# Altium PCB Check-PCB.PcbDoc
Units mm, origin at the board's own origin, x right, y up, seen from the top; angles counter-clockwise.
Board outline 61.98 x 97.54 mm, 2 copper layers (Top Layer, Bottom Layer), stack 1.569 mm thick; 41 components, 55 nets, 222 pads, 15 vias.
Unrouted connection lines stored in the file: 4.
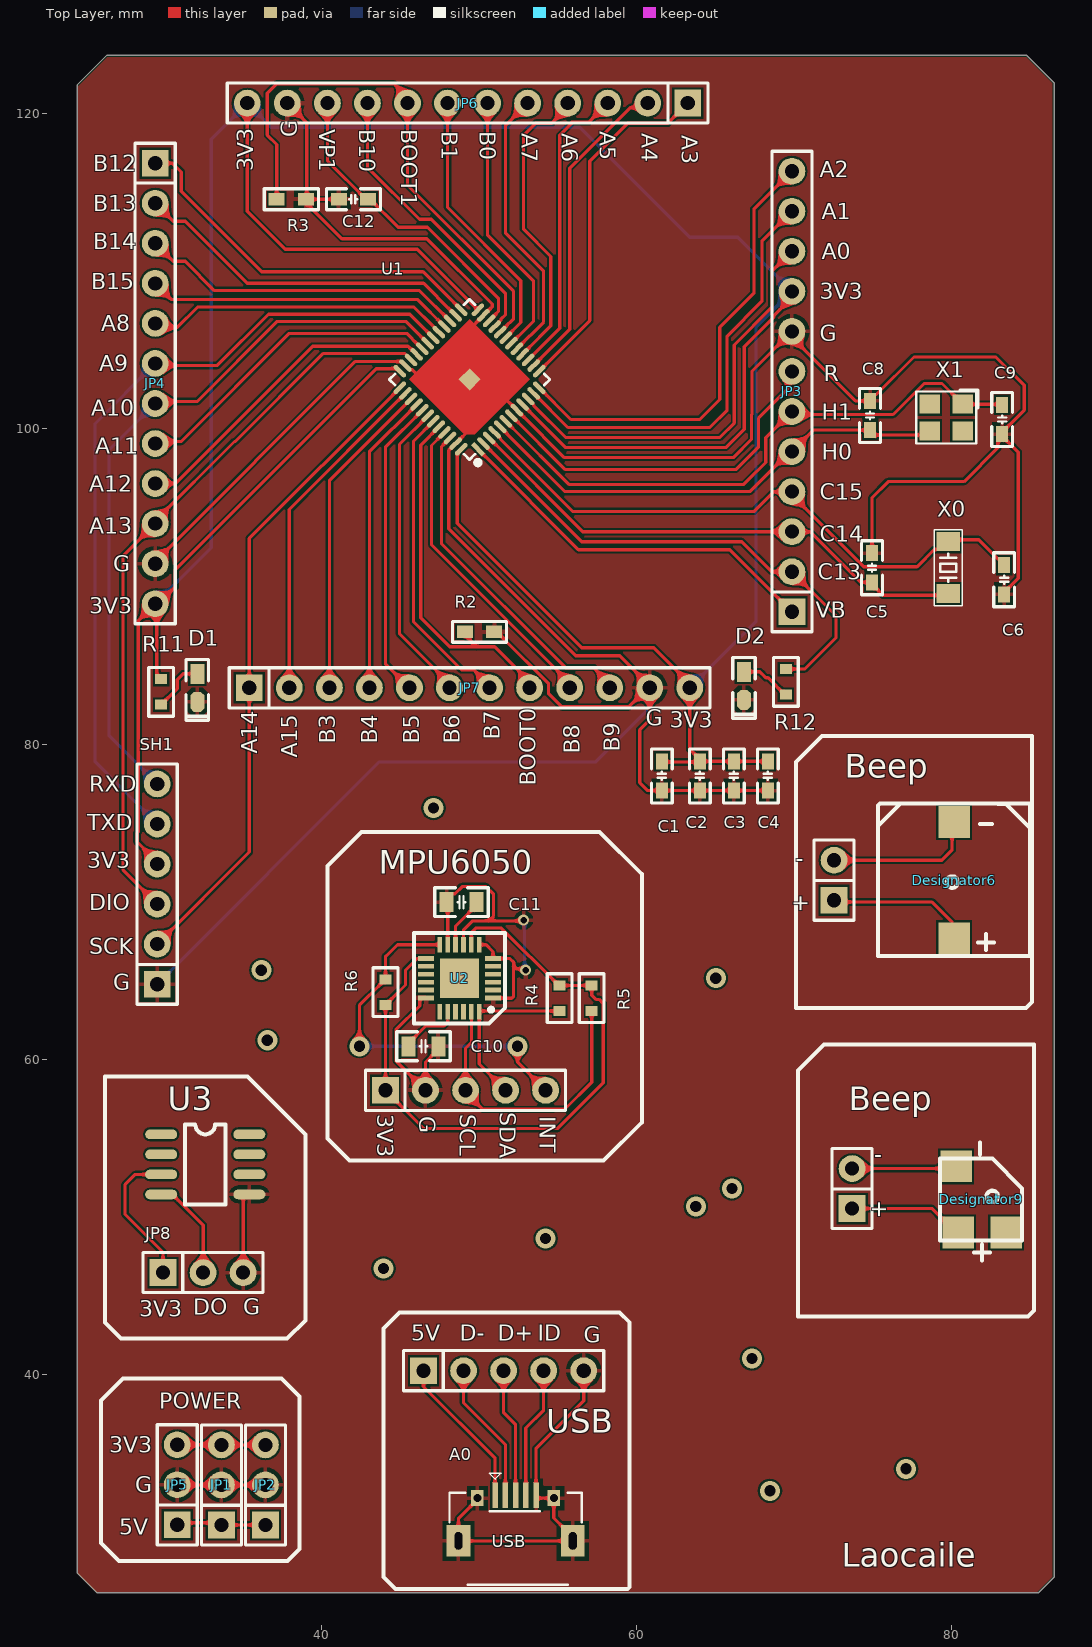
[diagram p0: Top Layer view]
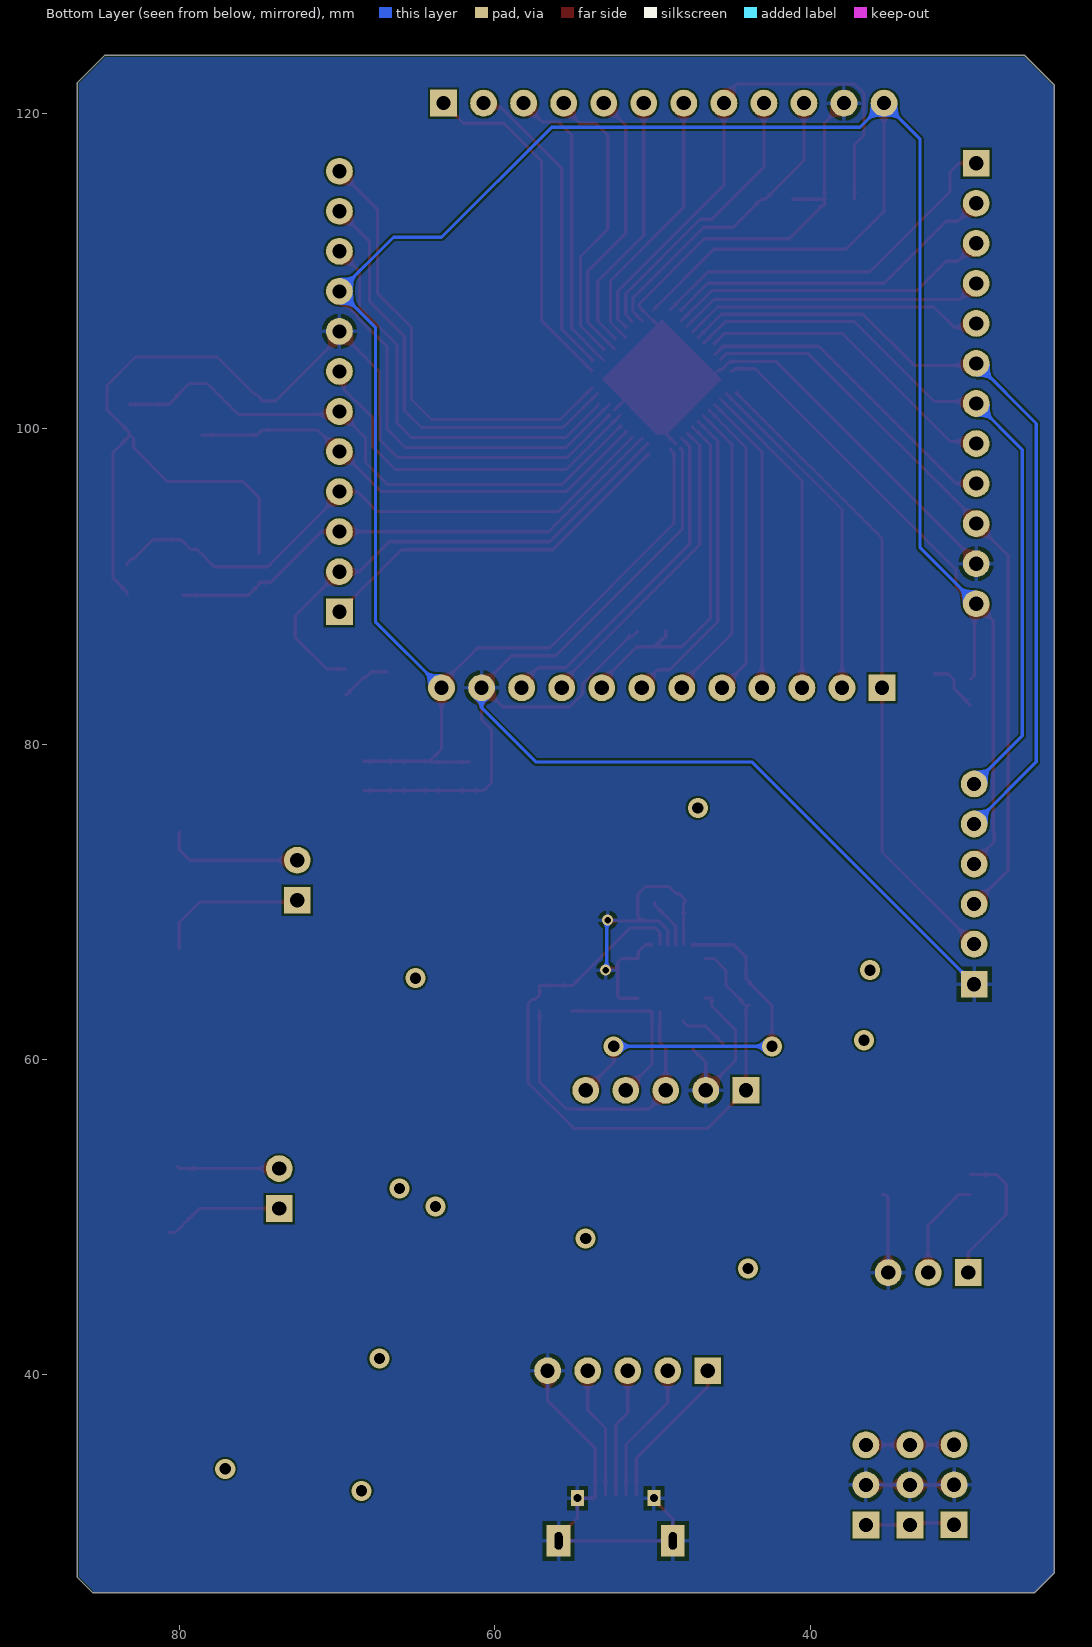
[diagram p1: Bottom Layer view, seen from below]

## Layer stack, top to bottom
Top Solder: solder mask 0.0254, SM-001, Dk 4
Top Layer: signal copper 0.035
Dielectric 1: core 1.4986, Core-043, Dk 4.3
Bottom Layer: signal copper 0.035
Bottom Solder: solder mask 0.0254, SM-001, Dk 4

## Board outline
25.781,26.162 24.511,27.432 24.511,121.793 26.416,123.698 84.709,123.698 86.487,121.92 86.487,27.178 85.471,26.162

## Design rules (kind name [scope] priority, off if disabled: settings)
Clearance [All] p1: gap=0.127 ignorepadtopadclearanceinfootprint=FALSE
PolygonConnect [All] p1: connectstyle=Relief reliefconductorwidth=0.254 reliefentries=4 polygonreliefangle="90 Angle" airgapwidth=0.254
RoutingVias [All] p1: holewidth=0.711 width=1.27 viastyle="Through Hole" minholewidth=0.711 minwidth=1.27 maxholewidth=0.711 maxwidth=1.27
SolderMaskExpansion [All] p1: expansion=0.102 istentingtop=FALSE
Width [All] p1: maxlimit=0.254 minlimit=0.025 preferedwidth=0.203 minimp=50.000000 maximp=50.000000 favimp=50.000000
30 further rules are at their usual default settings.

## Classes and differential pairs
component class WatchX-Sheet: A0 C1 C2 C3 C4 C5 C6 C8 C9 C10 C11 C12 JP1 JP2 JP3 JP4 JP5 JP6 JP7 JP8 MPU6050 R2 R3 R4 R5 R6 SH1 U1 U2 U3 USB

## Components (designator, comment, footprint, x,y, rotation, side; value= is the part's Value field where it differs from the comment)
A0 "Micro USB" USB-micro_A 52.324,29.464 r0 top
Beep "2PIN" 2PIN 74.422,51.816 r90 top
Beep "2PIN" 2PIN 73.279,71.374 r90 top
C1 "100NF" "C 0603_M" 61.595,77.978 r90 top
C2 "100NF" "C 0603_M" 64.008,77.978 r90 top
C3 "100NF" "C 0603_M" 66.167,77.978 r90 top
C4 "100NF" "C 0603_M" 68.326,77.978 r90 top
C5 "15PF" "C 0603_M" 74.93,91.186 r270 top
C6 "15PF" "C 0603_M" 83.312,90.424 r90 top
C8 "8PF" "C 0603_M" 74.803,100.838 r270 top
C9 "8PF" "C 0603_M" 83.185,100.584 r90 top
C10 "104" "C 0805_L" 46.482,60.833 r0 top
C11 "100nF" "C 0805_L" 48.895,69.977 r0 top
C12 "Cap Chip 0603" "C 0603_M" 42.037,114.554 r0 top value=4.7uf
D1 "Comment" "LED 0603R" 32.131,83.566 r270 top
D2 "Comment" "LED 0603R" 66.802,83.693 r270 top
Designator6 "Comment" 9650beep 92.456,70.993 r0 top
Designator9 "Comment" 5020beep 83.674,36.576 r270 top
JP1 "3PIN" 3pin 33.401,33.147 r90 top
JP2 "3PIN" 3pin 36.195,33.147 r90 top
JP3 "12PIN" 12PIN 70.358,100.203 r90 top
JP4 "12PIN" 12PIN 28.956,105.029 r270 top
JP5 "3PIN" 3pin 30.6,33.156 r90 top
JP6 "12PIN" 12PIN 51.435,121.158 r180 top
JP7 "12PIN" 12PIN 47.244,83.058 r0 top
JP8 "3PIN" 3pin 32.639,46.736 r0 top
MPU6050 "5PIN" 5PIN 53.467,59.055 r0 top
R2 "10K" "R 0603_M" 50.038,87.122 r180 top
R3 "10K" "R 0603_M" 38.1,114.554 r180 top
R4 "10k" 0603R 55.118,63.881 r90 top
R5 "10k" 0603R 57.15,63.881 r90 top
R6 "10K" 0603R 44.069,64.262 r90 top
R11 "Comment" 0603R 29.845,83.312 r90 top
R12 "Comment" 0603R 69.469,83.947 r90 top
SH1 "SH1.0-6P" 6PIN -9.271,382.143 r90 top
U1 "STM32F401CCU6" "QFN48 7X7_M" 49.403,103.124 r45 top
U2 "MPU6050" QFN24 48.768,65.151 r180 top
U3 "DS18B20" SOP8 29.87,55.27 r0 top
USB "5PIN" 5PIN 55.88,41.275 r0 top
X0 "Comment" "OSC 3215-2P" 79.756,91.186 r270 top
X1 "Comment" "OSC 3225-4P" 79.629,100.711 r180 top

## Footprints (in the part's own frame and the unit in brackets; to place one, negate y for a bottom-side part, rotate by r counter-clockwise, add the part's x,y. Pads: shape width x height; smd on the part's side, far side on the other; paste and mask are expansions set on the pad)
2PIN [mm]
  rect 1.7x1.7 hole 0.9: 1(-1.279,0.755)
  round 1.7 hole 0.9: 2(1.261,0.755)
  silkscreen extent -2.55,-0.51 2.54,2.03, body extent -2.55,-0.51 2.53,2.03, height 8.5
3pin [mm]
  rect 1.7x1.7 hole 0.9: 1(-2.676,-0.261)
  round 1.7 hole 0.9: 2(-0.136,-0.261) 3(2.404,-0.261)
  silkscreen extent -3.95,-1.53 3.67,1.01, body extent -3.95,-1.53 3.67,1.01, height 8.5
5PIN [mm]
  rect 1.7x1.7 hole 0.9: 1(-9.398,-1.016)
  round 1.7 hole 0.9: 2(-6.858,-1.016) 3(-4.318,-1.016) 4(-1.778,-1.016) 5(0.762,-1.016)
  silkscreen extent -10.67,-2.29 2.03,0.25, body extent -10.67,-2.29 2.03,0.25, height 8.5
6PIN [mm]
  rect 1.7x1.7 hole 0.9: 1(-317.373,-38.862)
  round 1.7 hole 0.9: 2(-314.833,-38.862) 3(-312.293,-38.862) 4(-309.753,-38.862) 5(-307.213,-38.862) 6(-304.673,-38.862)
  silkscreen extent -318.64,-40.13 -303.4,-37.59, body extent -318.64,-40.13 -303.4,-37.59, height 8.5
12PIN [mm]
  rect 1.7x1.7 hole 0.9: 1(-11.811,0.508)
  round 1.7 hole 0.9: 2(-9.271,0.508) 3(-6.731,0.508) 4(-4.191,0.508) 5(-1.651,0.508) 6(0.889,0.508) 7(3.429,0.508) 8(5.969,0.508) 9(8.509,0.508) 10(11.049,0.508) 11(13.589,0.508) 12(16.129,0.508)
  silkscreen extent -13.08,-0.76 17.4,1.78, body extent -13.08,-0.76 17.4,1.78, height 8.5
0603R [mil]
  rect 25x30 smd: 1(-32,0) 2(32,0)
  silkscreen extent -61,-31 61,31, body extent -32,-16 31,16, height 18
5020beep [mm] "5020beep"
  rect 2x2 smd: 1(-12.446,-3.283) 2(-16.637,-3.41) ""(-12.446,-0.235)
  silkscreen extent -18.16,-4.43 -10.67,0.78, body extent -17.15,-4.36 -11.94,0.72, height 2.01
9650beep [mm] "5020beep"
  rect 2x2 smd: 1(-12.319,4.064) 2(-12.319,-3.302)
  silkscreen extent -17.14,-4.43 -7.49,5.23, body extent -17.14,-4.32 -7.5,5.33, height 2.01
"C 0603_M" [mil] "无极性贴片电容"
  rect 40x30 smd: 1(-36.5,0) 2(36.5,0)
  silkscreen extent -68,-26 68,26, body extent -31,-16 31,16, height 32
"C 0805_L" [mil] "无极性贴片电容"
  rect 35x50 smd: 1(-37.4,0) 2(37.4,0)
  silkscreen extent -67,-36 67,36, body extent -39,-24 39,24, height 20
"LED 0603R" [mil] "红色0603LED"
  rect 50x35 smd: 1(-35,0.26)
  oct 50x35 smd: 2(35,0.26)
  silkscreen extent -71,-28 81,28, body extent -31,-16 31,16, height 18
"OSC 3215-2P" [mm] "3.2*1.5*0.6mm(长宽高)"
  rect 1.2x1.5 smd: 1(-1.65,0) 2(1.65,0)
  silkscreen extent -2.41,-0.89 2.41,0.89, body extent -1.6,-0.75 1.6,0.75, height 0.61
"OSC 3225-4P" [mm] "3.2*2.5*0.7mm(长宽高)"
  rect 1.3x1.2 smd: 1(-1.05,-0.85) 2(1.05,-0.85) 3(1.05,0.85) 4(-1.05,0.85)
  silkscreen extent -2.03,-1.75 1.91,1.65, body extent -1.6,-1.25 1.6,1.25, height 0.7
QFN24 [mm] "4mm*4mm（蒜米工坊）"
  rect 1x0.3 smd: 1(-2.125,1.25) 2(-2.125,0.75) 3(-2.125,0.25) 4(-2.125,-0.25) 5(-2.125,-0.75) 6(-2.125,-1.25) 13(2.125,-1.25) 14(2.125,-0.75) 15(2.125,-0.25) 16(2.125,0.25) 17(2.125,0.75) 18(2.125,1.25)
  rect 0.3x1 smd: 7(-1.25,-2.125) 8(-0.75,-2.125) 9(-0.25,-2.125) 10(0.25,-2.125) 11(0.75,-2.125) 12(1.25,-2.125) 19(1.25,2.125) 20(0.75,2.125) 21(0.25,2.125) 22(-0.25,2.125) 23(-0.75,2.125) 24(-1.25,2.125)
  rect 2.5x2.5 smd: 25(0,0)
  silkscreen extent -2.88,-2.87 2.87,2.88, body extent -2,-2 2,2, height 0.9
"QFN48 7X7_M" [mm] "48脚，长x宽x高：7x7x1mm，脚距：0.5mm"
  rect 0.3x1 smd: 1(-2.75,-3.5)
  oval 0.3x1 smd: 2(-2.25,-3.5) 3(-1.75,-3.5) 4(-1.25,-3.5) 5(-0.75,-3.5) 6(-0.25,-3.5) 7(0.25,-3.5) 8(0.75,-3.5) 9(1.25,-3.5) 10(1.75,-3.5) 11(2.25,-3.5) 12(2.75,-3.5) 25(2.75,3.5) 26(2.25,3.5) 27(1.75,3.5) 28(1.25,3.5) 29(0.75,3.5) 30(0.25,3.5) 31(-0.25,3.5) 32(-0.75,3.5) 33(-1.25,3.5) 34(-1.75,3.5) 35(-2.25,3.5) 36(-2.75,3.5)
  oval 1x0.3 smd: 13(3.5,-2.75) 14(3.5,-2.25) 15(3.5,-1.75) 16(3.5,-1.25) 17(3.5,-0.75) 18(3.5,-0.25) 19(3.5,0.25) 20(3.5,0.75) 21(3.5,1.25) 22(3.5,1.75) 23(3.5,2.25) 24(3.5,2.75) 37(-3.5,2.75) 38(-3.5,2.25) 39(-3.5,1.75) 40(-3.5,1.25) 41(-3.5,0.75) 42(-3.5,0.25) 43(-3.5,-0.25) 44(-3.5,-0.75) 45(-3.5,-1.25) 46(-3.5,-1.75) 47(-3.5,-2.25) 48(-3.5,-2.75)
  rect 1x1 smd mask+0.051: 49(0,0)
  Top Layer region: -2.7,2.7 2.7,2.7 2.7,-2.7 -2.214,-2.7 -2.7,-2.214
  silkscreen extent -3.6,-4.25 3.6,3.6, body extent -3.51,-3.51 3.51,3.51, height 0.95
"R 0603_M" [mil] "1/10W贴片电阻"
  rect 40x31.5 smd: 1(-36.5,0) 2(36.5,0)
  silkscreen extent -68,-26 68,26, body extent -31,-16 32,16, height 16
SOP8 [mil] "（蒜米工坊）"
  oval 80x24 smd: 1(-1,-1) 2(-1,-51) 3(-1,-101) 4(-1,-151) 5(219,-151) 6(219,-101) 7(219,-51) 8(219,-1)
  silkscreen extent 59,-176 159,24, body extent -4,-174 234,24, height 63
USB-micro_A [mm] "micro型USB ，5.7*7.8*2.5mm"
  rect 0.35x1.6 smd: 1(-1.3,2.9) 2(-0.65,2.9) 3(0,2.9) 4(0.65,2.9) 5(1.3,2.9)
  rect 1.5x2 hole 0.5 slot 1.1 at 90 deg: 5(-3.625,0) 5(3.625,0)
  rect 0.8x1 hole 0.5: 5(-2.425,2.71) 5(2.425,2.71)
  silkscreen extent -4.19,-2.79 4.19,4.3, body extent -4,-2.71 4,2.89, height 2.8

## Part data
C1 C2 C3 C4 C5 C6 C8 C9: library part "0402 CAP"
C10 C11: library part C, "无极性贴片电容", BOM名称=无极性贴片电容, 学习资源=www.ooocke.com, 版权归属=源创客
C12: "Polarized Capacitor (Radial)", Published=8-Jun-2000, Publisher="Altium Limited", Revision="July-2002: Re-released for DXP Platform."
R2 R3: library part "0402 RES"
R4 R5 R6: library part R, "贴片电阻", BOM名称=贴片电阻, 学习资源=www.ooocke.com, 版权归属=源创客
SH1: "间距为1mm的端子"

## Via types
v1: diameter 1.27, hole 0.711, Top Layer to Bottom Layer, 13 vias
v2: diameter 0.7, hole 0.4, Top Layer to Bottom Layer, 1 vias
v3: diameter 0.7, hole 0.411, Top Layer to Bottom Layer, 1 vias

## Nets (pads, with @x,y where several pads share a name; then routed paths per layer and width w, separated by ;. In a path a pad name is that pad's centre, name@x,y a point inside that pad or via, vN(x,y) a via of type N, cw(c..) or ccw(c..) an arc to the next point about the centre after c; other vN are vias at no path point)
3.3V: SH1.4
3V3: C1.2 C2.2 C3.2 C4.2 JP1.3 JP2.3 JP3.9 JP4.12 JP5.3 JP6.12 JP7.12 JP8.1 MPU6050.1 R4.2 R5.2 R6.1 R11.2 U1.9 U1.24 U1.36 U1.48 U2.8 U2.13 U3.3 | length 289.4
  Top Layer w0.203: 29.591,72.39 29.591,72.517 28.321,73.787 28.321,74.366 28.385,74.431 28.385,87.821 JP4.12 ; U3.3 28.194,52.705 27.559,52.07 27.559,50.165 29.972,47.752 29.963,47.743 JP8.1 ; R11.2 29.781,84.125 29.566,84.341 29.566,88.798 JP4.12 ; JP5.3 30.865,35.556 33.658,35.556 JP1.3 JP2.3 ; JP6.12 35.306,113.792 37.719,111.379 46.098,111.379 U1.24@49.929,107.547 ; R6.1@43.853,63.449 44.069,63.233 MPU6050.1 46.482,55.626 54.991,55.626 57.887,58.522 57.887,63.533 57.617,63.802 57.419,63.802 57.15,64.072 R5.2 R4.2 55.054,64.694 51.422,68.326 49.784,68.326 49.53,68.072 49.53,67.904 49.518,67.892 U2.8 ; R6.1 44.133,63.449 44.348,63.665 44.348,63.729 45.339,64.719 45.339,65.659 46.081,66.401 U2.13 ; U1.36 44.92,103.654 44.765,103.81 43.485,103.81 30.734,91.059 30.734,89.98 29.654,88.9 JP4.12 ; U1.48 48.625,98.457 48.625,93.996 56.515,86.106 61.087,86.106 63.373,83.82 JP7.12 63.373,79.667 64.008,79.032 C2.2 64.097,78.994 64.135,78.994 C2.2@64.046,78.905 ; U1.9 52.77,101.533 55.497,98.806 65.659,98.806 66.822,99.969 66.822,105.196 68.707,107.082 68.707,107.176 69.85,108.319 JP3.9 ; C1.2 61.633,78.867 64.008,78.867 C2.2@64.046,78.905 ; C4.2 C3.2 C2.2@64.046,78.905
  Bottom Layer w0.203: JP4.12 33.02,92.456 33.02,118.364 JP6.12 36.83,119.126 56.388,119.126 63.373,112.141 66.421,112.141 JP3.9 67.564,106.426 67.564,87.757 JP7.12
5V: A0.1 JP1.1 JP2.1 JP5.1 USB.1 | length 15.5
  Top Layer w0.203: JP5.1 30.988,30.607 33.274,30.607 33.41,30.471 JP2.1 ; USB.1 46.482,39.243 51.024,34.701 A0.1
B+: Beep.1@72.524,70.095 Designator6.2 | length 9.7
  Top Layer w0.203: Beep.1@72.524,70.095 72.642,69.977 78.74,69.977 80.01,68.707 Designator6.2@80.01,67.056
B-: Beep.2@72.524,72.635 Designator6.1 | length 8.9
  Top Layer w0.203: Beep.2@72.524,72.635 79.35,72.635 80.01,73.295 Designator6.1@80.01,74.422
BOOT0: JP7.8 R2.2 U1.44 | length 22.9
  Top Layer w0.203: U1.44 47.458,100.111 46.304,98.957 46.304,88.011 48.146,86.169 49.847,86.169 ; R2.2@49.174,87.185 49.149,87.211 49.149,86.868 49.847,86.169 ; JP7.8 53.213,83.947 50.99,86.169 49.847,86.169
BOOT1: JP6.8 R3.2 U1.20 | length 34.1
  Top Layer w0.203: R3.2 37.173,118.024 36.576,118.621 36.576,121.285 37.147,121.856 44.641,121.856 45.466,121.031 JP6.8 45.466,115.443 52.197,108.712 52.197,106.979 U1.20@51.648,106.43
D+: A0.3 USB.3 | length 8.2
  Top Layer w0.203: USB.3 51.562,37.592 52.324,36.83 A0.3
D-: A0.2 USB.2 | length 9
  Top Layer w0.203: USB.2 49.022,38.227 51.674,35.575 A0.2
DO: JP8.2 U3.4 | length 6.5
  Top Layer w0.203: U3.4 30.556,51.435 32.512,49.479 32.512,46.484 JP8.2
EP: A0.5 C1.1 C2.1 C3.1 C4.1 C5.1 C6.1 C8.1 C9.1 C10.2 C11.1 C12.1 D1.2 D2.2 JP1.2 JP2.2 JP3.8 JP4.11 JP5.2 JP6.11 JP7.11 JP8.3 MPU6050.2 R2.1 R3.1 SH1.1 U1.8 U1.23 U1.35 U1.47 U1.49 U2.1 U2.6 U2.7 U2.9 U2.11 U2.18 U3.5 USB.5 | length 290.3
  Top Layer w0.203: JP4.11 29.464,91.567 42.164,104.267 45.078,104.267 45.603,103.742 45.77,103.742 46.097,103.415 46.265,103.415 46.609,103.759 46.863,103.759 ; JP5.2 30.865,33.016 33.658,33.016 JP1.2 JP2.2 ; JP8.3 35.052,46.484 35.052,51.247 35.24,51.435 U3.5 ; JP6.11 39.078,119.418 R3.1@39.078,114.554 ; R3.1 R3.1@39.078,114.554 ; C12.1 R3.1@39.078,114.554 ; U2.18@46.609,63.867 46.637,63.895 46.287,63.895 46.245,63.853 46.245,63.39 44.732,61.877 44.732,59.916 MPU6050.2 46.609,59.819 47.432,60.642 C10.2 ; U2.11 48.018,69.904 C11.1 47.945,70.167 48.288,70.51 48.478,70.51 48.928,70.96 49.238,70.96 49.245,70.967 50.437,70.967 50.927,70.477 50.927,69.088 50.622,68.783 ; U1.47@48.218,98.758 48.082,98.621 48.082,93.65 56.134,85.598 58.928,85.598 60.833,83.693 JP7.11 ; U1.47 49.149,99.688 49.149,99.949 49.403,100.203 U1.49 ; U2.9 49.018,67.859 49.012,67.865 49.012,68.201 49.595,68.783 50.622,68.783 ; A0.5@49.899,32.174 49.899,32.074 48.699,30.874 48.699,29.464 55.949,29.464 55.949,29.714 54.749,30.914 54.749,32.174 53.697,32.174 53.624,32.247 53.624,32.364 53.624,35.336 56.642,38.354 USB.5 ; U2.7 50.453,67.276 50.893,66.836 U2.6@50.893,66.407 ; U2.6 51.963,66.401 52.197,66.167 52.197,65.913 ; U2.1@50.899,63.895 50.913,63.881 52.07,63.881 52.197,64.008 52.197,65.913 ; R2.1 51.264,86.824 51.424,86.824 54.419,83.829 54.419,83.195 55.254,82.36 59.5,82.36 60.706,83.566 JP7.11 ; U1.8 50.464,103.124 U1.49 ; U1.8@52.709,100.879 55.417,98.171 66.136,98.171 67.279,99.314 67.279,100.872 67.31,100.904 67.31,103.632 JP3.8 69.85,105.791 73.876,101.765 C8.1 74.803,101.892 75.082,102.171 75.209,102.171 77.59,104.552 82.781,104.552 84.582,102.751 84.582,101.181 83.185,99.784 C9.1 ; v3(52.832,68.834) 52.781,68.783 50.622,68.783 ; v2(52.959,65.659) 52.864,65.754 52.356,65.754 52.197,65.913 ; C4.1 C3.1 C2.1 C1.1 60.706,77.051 60.198,77.559 60.198,80.899 60.833,81.534 JP7.11 ; C5.1 74.93,95.631 75.946,96.647 80.772,96.647 82.906,98.781 82.906,99.377 C9.1 ; C6.1 83.312,89.624 84.201,90.513 84.201,98.514 83.185,99.53 C9.1 ; R3.1@39.078,114.554 39.078,114.173 39.186,114.173 41.307,112.052 46.698,112.052 50.839,107.911 50.839,107.742 U1.23 50.287,107.183 50.28,107.183 49.403,106.306 U1.49
  Bottom Layer w0.203: SH1.1 43.688,78.867 57.404,78.867 60.833,82.296 JP7.11 ; v3(52.832,68.834) 52.895,68.77 52.895,65.722 v2(52.959,65.659)
ID: A0.4 USB.4 | length 8.4
  Top Layer w0.203: A0.4 52.974,36.619 54.102,37.747 USB.4
MPU_INT: MPU6050.5 R6.2 U2.12 | length 23.8
  Top Layer w0.203: v1(42.418,60.833) 42.418,63.424 43.79,64.795 43.79,64.859 44.005,65.075 R6.2 44.069,66.548 44.103,66.548 44.831,67.276 U2.12 ; v1(52.451,60.833) 52.451,59.817 MPU6050.5
  Bottom Layer w0.203: v1(42.418,60.833) v1(52.451,60.833)
MPU_SCL: MPU6050.3 R5.1 U2.23 | length 19
  Top Layer w0.203: U2.23 49.518,62.427 49.53,62.415 49.53,61.087 49.149,60.706 MPU6050.3 49.149,57.912 50.228,56.833 54.728,56.833 54.748,56.853 55.456,56.853 57.15,58.547 R5.1
MPU_SDA: MPU6050.4 R4.1 U2.24 | length 10.8
  Top Layer w0.203: U2.24 50.018,59.71 MPU6050.4 ; U2.24@50.024,63.032 50.06,63.068 R4.1
NetC10_1: C10.1 U2.20 | length 3.3
  Top Layer w0.203: C10.1 45.532,61.023 46.609,62.1 46.609,62.111 47.756,62.111 48.018,62.373 48.018,62.463
NetC11_2: C11.2 U2.10 | length 3.3
  Top Layer w0.203: U2.10 48.518,68.46 49.845,69.786 C11.2
NRST: JP3.7 U1.7 | length 23.4
  Top Layer w0.203: U1.7 52.063,100.826 55.48,97.409 66.294,97.409 67.736,98.851 67.736,100.683 69.564,102.511 69.564,103.346 JP3.7
PA0: JP3.10 U1.10 | length 26.4
  Top Layer w0.203: U1.10@53.434,101.56 53.48,101.514 53.48,101.469 55.504,99.446 65.283,99.446 66.192,100.355 66.192,105.308 68.58,107.696 68.58,109.982 JP3.10
PA1: JP3.11 U1.11 | length 27.9
  Top Layer w0.203: U1.11 53.477,102.24 55.641,100.076 64.643,100.076 65.735,101.168 65.735,105.867 67.945,108.077 67.945,111.887 JP3.11
PA2: JP3.12 U1.12 | length 29.2
  Top Layer w0.203: U1.12 55.832,100.584 64.008,100.584 65.278,101.854 65.278,106.426 67.437,108.585 67.437,113.919 JP3.12
PA3: JP6.1 U1.13 | length 22.4
  Top Layer w0.203: U1.13 57.023,106.855 57.023,116.967 59.436,119.38 61.976,119.38 JP6.1
PA4: JP6.2 U1.14 | length 19.7
  Top Layer w0.203: U1.14@53.785,104.331 55.753,106.299 55.753,116.532 59.585,120.364 60.42,120.364 JP6.2
PA5: JP6.3 U1.15 | length 19
  Top Layer w0.203: U1.15 53.515,104.761 55.118,106.364 55.118,118.618 55.88,119.38 55.88,119.444 56.96,119.444 JP6.3
PA6: JP6.4 U1.16 | length 18.7
  Top Layer w0.203: U1.16@53.08,105.041 54.559,106.52 54.559,110.922 52.832,112.649 52.832,118.618 53.594,119.38 54.61,119.38 55.626,120.396 JP6.4
PA7: JP6.5 U1.17 | length 17.9
  Top Layer w0.203: U1.17 54.102,106.762 54.102,109.982 51.689,112.395 51.689,119.253 JP6.5
PA8: JP4.5 U1.29 | length 19.3
  Top Layer w0.203: JP4.5 29.718,106.426 30.861,106.426 32.156,107.721 45.866,107.721 47.059,106.529 U1.29
PA9: JP4.6 SH1.5 U1.30 | length 52.1
  Top Layer w0.203: JP4.6 29.591,104.013 33.401,104.013 36.652,107.264 45.616,107.264 U1.30
  Bottom Layer w0.203: JP4.6 25.654,100.33 25.654,78.867 SH1.5
PA10: JP4.7 SH1.6 U1.31 | length 46.6
  Top Layer w0.203: JP4.7 29.591,101.727 32.131,101.727 37.211,106.807 45.359,106.807 46.743,105.422 U1.31
  Bottom Layer w0.203: JP4.7 26.543,98.679 26.543,80.518 SH1.6
PA11: JP4.8 U1.32 | length 19.8
  Top Layer w0.203: JP4.8 29.591,99.187 31.115,99.187 37.973,106.045 45.474,106.045 45.474,105.992 U1.32@46.097,105.369
PA12: JP4.9 U1.33 | length 20.4
  Top Layer w0.203: JP4.9 30.734,96.52 39.446,105.232 45.501,105.232 46.018,104.715 U1.33
PA13: JP4.10 SH1.3 U1.34 | length 46.8
  Top Layer w0.203: SH1.3 27.432,72.009 27.432,91.948 JP4.10 29.464,94.158 34.493,99.187 34.544,99.187 40.132,104.775 45.277,104.775 U1.34
PA14: JP7.1 SH1.2 U1.37 | length 41.2
  Top Layer w0.203: SH1.2 35.433,73.152 JP7.1 35.433,93.043 U1.37@44.683,102.293
PA15: JP7.2 U1.38 | length 21.7
  Top Layer w0.203: JP7.2 37.973,94.876 U1.38
PB0: JP6.6 U1.18 | length 16.6
  Top Layer w0.203: JP6.6 50.546,112.268 53.467,109.347 53.467,106.834 U1.18@52.355,105.723
PB1: JP6.7 U1.19 | length 17.2
  Top Layer w0.203: JP6.7 48.006,114.046 52.654,109.398 52.654,106.737 51.701,105.784 U1.19
PB3: JP7.3 U1.39 | length 20.5
  Top Layer w0.203: JP7.3 40.513,96.709 45.291,101.487 U1.39
PB4: JP7.4 U1.40 | length 19.2
  Top Layer w0.203: JP7.4 43.053,98.534 46.044,101.525 U1.40
PB5: JP7.5 U1.41 | length 19.2
  Top Layer w0.203: JP7.5 44.069,85.09 44.069,98.825 46.398,101.153 U1.41
PB6: JP7.6 U1.42 | length 19.3
  Top Layer w0.203: U1.42 46.751,100.8 44.958,99.006 44.958,86.995 48.133,83.82 JP7.6
PB7: JP7.7 U1.43 | length 19.9
  Top Layer w0.203: U1.43 47.105,100.464 45.847,99.206 45.847,87.757 48.895,84.709 49.657,84.709 49.663,84.715 50.673,83.705 JP7.7
PB8: JP7.9 U1.45 | length 20.2
  Top Layer w0.203: U1.45 47.812,99.757 46.99,98.935 46.99,92.635 55.753,83.872 JP7.9
PB9: JP7.10 U1.46 | length 21.5
  Top Layer w0.203: U1.46 47.625,98.871 47.625,92.71 55.499,84.836 57.277,84.836 58.293,83.82 JP7.10
PB10: JP6.9 U1.21 | length 18.1
  Top Layer w0.203: JP6.9 42.926,116.586 46.228,113.284 46.978,113.284 51.689,108.573 51.689,107.246 51.394,106.951 51.394,106.882 U1.21@51.295,106.783
PB12: JP4.1 U1.25 | length 24
  Top Layer w0.203: JP4.1 30.556,116.84 31.115,116.281 31.115,115.062 36.219,109.958 46.458,109.958 48.594,107.823 U1.25
PB13: JP4.2 U1.26 | length 21.6
  Top Layer w0.203: JP4.2 30.607,113.157 31.369,113.157 35.306,109.22 46.489,109.22 U1.26@48.218,107.491
PB14: JP4.3 U1.27 | length 20.7
  Top Layer w0.203: JP4.3 30.607,110.617 31.369,110.617 33.223,108.763 46.231,108.763 48.158,106.836 U1.27
PB15: JP4.4 U1.28 | length 19.5
  Top Layer w0.203: JP4.4 30.48,108.204 46.091,108.204 U1.28
PC13: JP3.2 R12.2 U1.2 | length 32.3
  Top Layer w0.203: U1.2 50.294,99.058 56.515,92.837 66.675,92.837 68.58,90.932 JP3.2 72.644,88.138 72.644,86.741 70.663,84.76 R12.2
PC14: C5.2 JP3.3 U1.3 X0.2 | length 33.3
  Top Layer w0.203: U1.3 50.648,99.412 56.588,93.472 JP3.3 69.862,93.46 71.005,93.46 74.206,90.259 C5.2 74.93,90.132 75.626,89.436 X0.2@79.756,89.436
PC15: C6.2 JP3.4 U1.4 X0.1 | length 38.1
  Top Layer w0.203: U1.4@51.295,99.465 51.359,99.4 51.359,99.348 55.965,94.742 67.437,94.742 68.695,96 69.838,96 69.838,95.813 74.402,91.249 77.787,91.249 78.878,92.34 79.26,92.34 79.884,92.964 81.699,92.964 82.906,91.757 83.033,91.757 83.312,91.478 C6.2
PH0: C8.2 JP3.5 U1.5 X1.3 | length 30.3
  Top Layer w0.203: U1.5@51.648,99.818 55.454,96.012 67.183,96.012 69.723,98.552 JP3.5 71.209,99.911 C8.2 74.803,99.875 75.082,99.596 X1.3@78.579,99.596
PH1: C9.2 JP3.6 U1.6 X1.1 | length 37
  Top Layer w0.203: U1.6@52.002,100.172 55.704,96.469 66.802,96.469 67.183,96.85 67.186,96.85 68.193,97.857 68.193,99.435 JP3.6 70.04,100.901 76.263,100.901 78.232,102.87 79.37,102.87 80.131,102.109 80.131,102.059 80.629,101.561 X1.1 80.691,101.549 83.148,101.549 C9.2
VBAT: JP3.1 U1.1 | length 23.8
  Top Layer w0.203: U1.1@50.234,98.404 56.309,92.329 65.913,92.329 JP3.1
VCAP1: C12.2 JP6.10 U1.22 | length 19.8
  Top Layer w0.203: JP6.10 40.386,117.005 42.837,114.554 C12.2 43.091,114.554 44.869,112.776 46.736,112.776 51.232,108.28 51.232,107.436 50.916,107.119 50.916,107.111 U1.22
pads on no net: Beep.1@73.667,50.537 Beep.2@73.667,53.077 D1.1 D2.1 Designator9. Designator9.1 Designator9.2 R11.1 R12.1 U2.2 U2.3 U2.4 U2.5 U2.14 U2.15 U2.16 U2.17 U2.19 U2.21 U2.22 U2.25 U3.1 U3.2 U3.6 U3.7 U3.8 X1.2 X1.4
copper on no net: | length 21
  Top Layer w0.203: 29.845,82.499 29.909,82.499 30.124,82.715 30.124,82.779 30.861,83.515 30.861,84.074 31.242,84.455 32.138,84.455 ; 66.809,84.582 67.818,84.582 67.966,84.434 ; 67.892,84.508 68.199,84.201 68.339,84.201 69.406,83.134 69.469,83.134 ; 73.667,50.537 78.749,50.537 80.264,49.022 80.645,49.022 ; 73.667,53.077 80.001,53.077 80.137,53.213
  other v1: 68.453,32.639 77.089,34.036 67.31,41.021 43.942,46.736 54.229,48.641 63.754,50.673 66.04,51.816 36.576,61.214 65.024,65.151 36.195,65.659 47.117,75.946

## Polygon pours and split planes (outlines as drawn)
EP on Bottom Layer "EP_L02_P000" (solid, pour order 0): 26.416,123.571 84.709,123.571 86.36,121.92 86.36,27.178 85.471,26.289 85.471,26.162 25.781,26.162 24.511,27.432 24.511,121.666
EP on Top Layer "EP_L01_P002" (solid, pour order 2): 24.511,121.666 26.416,123.571 84.709,123.571 86.36,121.92 86.36,27.178 85.344,26.162 25.781,26.162 24.511,27.432

## Silkscreen, mask and mechanical layers (free items; w line width, h text height)
Top Overlay:
  lines w0.254: 75.318,74.81 75.318,76.103 75.433,76.219 76.727,76.219 ; 82.931,76.2 83.439,76.2 84.963,74.676 ; 26.035,29.337 27.178,28.194 37.846,28.194 38.608,28.956 38.608,38.608 37.465,39.751 27.432,39.751 26.035,38.354 26.035,29.337 ; 26.289,43.307 27.305,42.291 37.828,42.291 38.989,43.452 38.989,55.245 35.306,58.928 26.289,58.928 26.289,43.307 ; 40.386,54.991 41.783,53.594 57.912,53.594 60.325,56.007 60.325,71.755 57.658,74.422 42.545,74.422 40.386,72.263 40.386,54.991 ; 43.942,27.178 44.704,26.416 59.436,26.416 59.563,26.543 59.563,43.307 58.928,43.942 44.958,43.942 43.942,42.926 43.942,27.178 ; 70.104,63.246 84.709,63.246 85.09,63.627 85.09,80.518 84.836,80.518 71.755,80.518 70.104,78.867 70.104,63.246 ; 70.231,43.688 70.231,59.309 71.882,60.96 84.963,60.96 85.217,60.96 85.217,44.069 84.836,43.688 70.231,43.688
  text "VP1" at 39.878,118.999 h1.02 r270
  text "B10" at 42.418,118.999 h1.02 r270
  text "BOOT1" at 45.085,118.999 h1.02 r270
  text "B1" at 47.625,118.872 h1.02 r270
  text "B0" at 50.038,118.872 h1.02 r270
  text "A5" at 57.658,118.872 h1.02 r270
  text "A7" at 52.705,118.745 h1.02 r270
  text "A6" at 55.245,118.745 h1.02 r270
  text "A4" at 60.325,118.745 h1.02 r270
  text "A3" at 62.865,118.618 h1.02 r270
  text "G" at 38.481,118.491 h1.02 r90
  text "B12" at 25.527,116.332 h1.02
  text "3V3" at 35.687,116.332 h1.02 r90
  text "A2" at 71.628,115.951 h1.02
  text "B13" at 25.527,113.792 h1.02
  text "A1" at 71.755,113.284 h1.02
  text "B14" at 25.527,111.379 h1.02
  text "A0" at 71.755,110.744 h1.02
  text "B15" at 25.4,108.839 h1.02
  text "3V3" at 71.628,108.204 h1.02
  text "A8" at 26.035,106.172 h1.02
  text "G" at 71.628,105.537 h1.02
  text "A9" at 25.908,103.632 h1.02
  text "R" at 71.882,102.997 h1.02
  text "A10" at 25.4,100.838 h1.02
  text "H1" at 71.755,100.584 h1.02
  text "A11" at 25.654,98.425 h1.02
  text "H0" at 71.755,98.044 h1.02
  text "A12" at 25.273,96.012 h1.02
  text "C15" at 71.628,95.504 h1.02
  text "A13" at 25.273,93.345 h1.02
  text "C14" at 71.628,92.837 h1.02
  text "G" at 26.797,90.932 h1.02
  text "C13" at 71.501,90.424 h1.02
  text "3V3" at 25.273,88.265 h1.02
  text "VB" at 71.374,88.011 h1.02
  text "G" at 60.579,81.153 h1.02
  text "3V3" at 62.103,81.026 h1.02
  text "B7" at 51.308,80.264 h1.02 r90
  text "B3" at 40.894,80.01 h1.02 r90
  text "B4" at 43.561,80.01 h1.02 r90
  text "B5" at 46.228,80.01 h1.02 r90
  text "B6" at 48.768,80.01 h1.02 r90
  text "B9" at 58.928,79.502 h1.02 r90
  text "A14" at 35.941,79.375 h1.02 r90
  text "B8" at 56.388,79.375 h1.02 r90
  text "A15" at 38.481,79.121 h1.02 r90
  text "BOOT0" at 53.594,77.343 h1.02 r90
  text "RXD" at 25.273,76.962 h1.02
  text "TXD" at 25.146,74.549 h1.02
  text "-" at 70.104,72.263 h1.02
  text "3V3" at 25.146,72.136 h1.02
  text "+" at 69.977,70.485 h1.02 r270
  text "DIO" at 25.273,69.469 h1.02
  text "SCK" at 25.273,66.675 h1.02
  text "G" at 26.797,64.389 h1.02
  text "SDA" at 51.308,56.642 h1.02 r270
  text "3V3" at 43.561,56.515 h1.02 r270
  text "SCL" at 48.768,56.515 h1.02 r270
  text "G" at 46.228,56.388 h1.02 r270
  text "INT" at 53.848,56.388 h1.02 r270
  text "-" at 75.057,53.467 h1.02
  text "+" at 74.93,51.054 h1.02 r270
  text "DO" at 31.877,43.815 h1.02
  text "G" at 35.052,43.815 h1.02
  text "3V3" at 28.448,43.688 h1.02
  text "5V" at 45.72,42.164 h1.02
  text "D-" at 48.768,42.164 h1.02
  text "D+" at 51.181,42.164 h1.02
  text "ID" at 53.721,42.164 h1.02
  text "G" at 56.642,42.037 h1.02
  text "POWER" at 29.718,37.846 h1.02
  text "3V3" at 26.543,35.052 h1.02
  text "G" at 28.194,32.512 h1.02
  text "5V" at 27.178,29.845 h1.02
  text "Laocaile" at 73.025,27.813 h1.5
Mechanical 13:
  the board outline again, w0.254

## Text inside footprints (layer, text, board x,y; h text height)
A0: Top Overlay "USB" at 50.8,29.062 h0.76